# EAGLE board RedBoard-GiantPanel-v21a (EAGLE 7.5.0), part 3 of 4
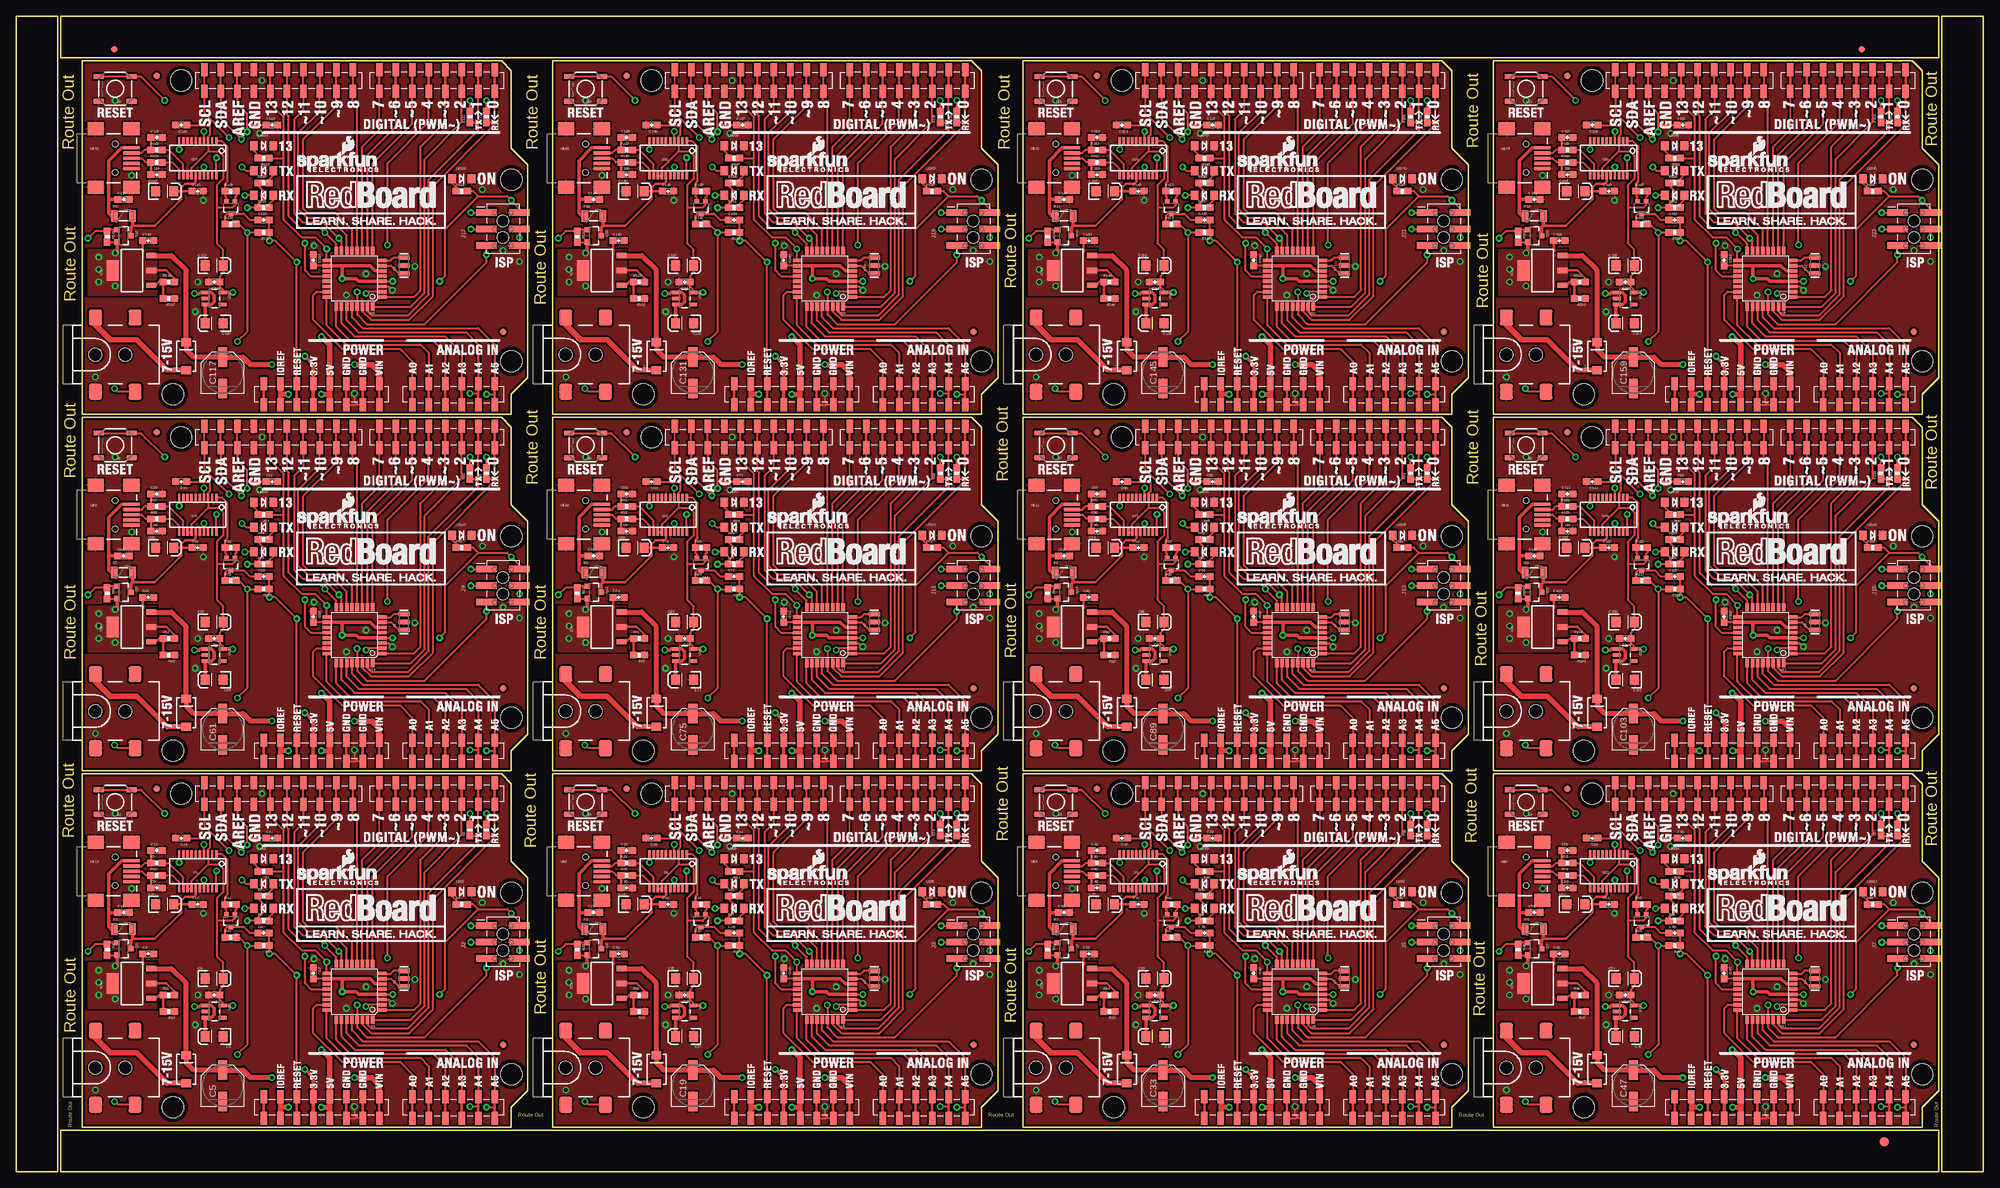
[diagram p0: board, top side]
## Tracks (layer width: path | path; a pad name or v marks a point on that pad's centre or on a via) (continued)
AD4/SDA7  (via drill 0.51) (continued)
  Bottom 0.305: v287.02,64.9 280.04,71.88 264.16,71.88 263.14,72.9 263.14,80.52 259.33,84.33 259.33,96.52 v251.84,104.01
AD4/SDA8  (via drill 0.51)
  Top 0.305: U26.27 50.87,130.99 52.7,129.16 69.22,129.16 71.12,127.25 71.12,119.76 | 71.12,119.76 AD8.5 | v34.67,158.88 31.5,162.05 JP87.2B JP87.2A | v69.85,119.76 71.12,119.76
  Bottom 0.305: v69.85,119.76 62.87,126.75 46.99,126.75 45.97,127.76 45.97,135.38 42.16,139.19 42.16,151.38 v34.67,158.88
AD4/SDA9  (via drill 0.51)
  Top 0.305: U29.27 123.26,130.99 125.09,129.16 141.6,129.16 143.51,127.25 143.51,119.76 | 143.51,119.76 AD9.5 | v107.06,158.88 103.89,162.05 JP97.2B JP97.2A | v142.24,119.76 143.51,119.76
  Bottom 0.305: v142.24,119.76 135.25,126.75 119.38,126.75 118.36,127.76 118.36,135.38 114.55,139.19 114.55,151.38 v107.06,158.88
AD4/SDA10  (via drill 0.51)
  Top 0.305: U32.27 195.65,130.99 197.49,129.16 214,129.16 215.9,127.25 215.9,119.76 | 215.9,119.76 AD10.5 | v179.45,158.88 176.28,162.05 JP107.2B JP107.2A | v214.63,119.76 215.9,119.76
  Bottom 0.305: v214.63,119.76 207.65,126.75 191.77,126.75 190.75,127.76 190.75,135.38 186.94,139.19 186.94,151.38 v179.45,158.88
AD4/SDA11  (via drill 0.51)
  Top 0.305: U35.27 268.04,130.99 269.88,129.16 286.38,129.16 288.29,127.25 288.29,119.76 | 288.29,119.76 AD11.5 | v251.84,158.88 248.67,162.05 JP117.2B JP117.2A | v287.02,119.76 288.29,119.76
  Bottom 0.305: v287.02,119.76 280.04,126.75 264.16,126.75 263.14,127.76 263.14,135.38 259.33,139.19 259.33,151.38 v251.84,158.88
AD5
  Top 0.305: U5.24 120.17,20.55 123.19,17.53 134.62,17.53 135.89,16.26 AD1.2
AD5/SCL  (via drill 0.51)
  Top 0.254: JP2.1A JP2.1B
  Top 0.305: U3.28 51.67,21.74 53.34,20.07 71.12,20.07 73.66,17.53 AD.6 73.66,9.91 v72.39,9.91 | JP2.1B 28.96,53.21 v32.77,49.4
  Bottom 0.305: v32.77,49.4 41.53,40.64 41.53,28.83 45.34,25.02 45.34,17.4 46.48,16.26 62.1,16.26 69.34,9.02 71.5,9.02 v72.39,9.91
AD5/SCL1  (via drill 0.51)
  Top 0.254: JP17.1A JP17.1B
  Top 0.305: U5.28 124.06,21.74 125.73,20.07 143.51,20.07 146.05,17.53 AD1.6 146.05,9.91 v144.78,9.91 | JP17.1B 101.35,53.21 v105.16,49.4
  Bottom 0.305: v105.16,49.4 113.92,40.64 113.92,28.83 117.73,25.02 117.73,17.4 118.87,16.26 134.49,16.26 141.73,9.02 143.89,9.02 v144.78,9.91
AD5/SCL2  (via drill 0.51)
  Top 0.254: JP27.1A JP27.1B
  Top 0.305: U8.28 196.45,21.74 198.12,20.07 215.9,20.07 218.44,17.53 AD2.6 218.44,9.91 v217.17,9.91 | JP27.1B 173.74,53.21 v177.55,49.4
  Bottom 0.305: v177.55,49.4 186.31,40.64 186.31,28.83 190.12,25.02 190.12,17.4 191.26,16.26 206.88,16.26 214.12,9.02 216.28,9.02 v217.17,9.91
AD5/SCL3  (via drill 0.51)
  Top 0.254: JP37.1A JP37.1B
  Top 0.305: U11.28 268.84,21.74 270.51,20.07 288.29,20.07 290.83,17.53 AD3.6 290.83,9.91 v289.56,9.91 | JP37.1B 246.13,53.21 v249.94,49.4
  Bottom 0.305: v249.94,49.4 258.7,40.64 258.7,28.83 262.51,25.02 262.51,17.4 263.65,16.26 279.27,16.26 286.51,9.02 288.67,9.02 v289.56,9.91
AD5/SCL4  (via drill 0.51)
  Top 0.254: JP47.1A JP47.1B
  Top 0.305: U14.28 51.67,76.6 53.34,74.93 71.12,74.93 73.66,72.39 AD4.6 73.66,64.77 v72.39,64.77 | JP47.1B 28.96,108.08 v32.77,104.27
  Bottom 0.305: v32.77,104.27 41.53,95.5 41.53,83.69 45.34,79.88 45.34,72.26 46.48,71.12 62.1,71.12 69.34,63.88 71.5,63.88 v72.39,64.77
AD5/SCL5  (via drill 0.51)
  Top 0.254: JP57.1A JP57.1B
  Top 0.305: U17.28 124.06,76.6 125.73,74.93 143.51,74.93 146.05,72.39 AD5.6 146.05,64.77 v144.78,64.77 | JP57.1B 101.35,108.08 v105.16,104.27
  Bottom 0.305: v105.16,104.27 113.92,95.5 113.92,83.69 117.73,79.88 117.73,72.26 118.87,71.12 134.49,71.12 141.73,63.88 143.89,63.88 v144.78,64.77
AD5/SCL6  (via drill 0.51)
  Top 0.254: JP67.1A JP67.1B
  Top 0.305: U20.28 196.45,76.6 198.12,74.93 215.9,74.93 218.44,72.39 AD6.6 218.44,64.77 v217.17,64.77 | JP67.1B 173.74,108.08 v177.55,104.27
  Bottom 0.305: v177.55,104.27 186.31,95.5 186.31,83.69 190.12,79.88 190.12,72.26 191.26,71.12 206.88,71.12 214.12,63.88 216.28,63.88 v217.17,64.77
AD5/SCL7  (via drill 0.51)
  Top 0.254: JP77.1A JP77.1B
  Top 0.305: U23.28 268.84,76.6 270.51,74.93 288.29,74.93 290.83,72.39 AD7.6 290.83,64.77 v289.56,64.77 | JP77.1B 246.13,108.08 v249.94,104.27
  Bottom 0.305: v249.94,104.27 258.7,95.5 258.7,83.69 262.51,79.88 262.51,72.26 263.65,71.12 279.27,71.12 286.51,63.88 288.67,63.88 v289.56,64.77
AD5/SCL8  (via drill 0.51)
  Top 0.254: JP87.1A JP87.1B
  Top 0.305: U26.28 51.67,131.46 53.34,129.79 71.12,129.79 73.66,127.25 AD8.6 73.66,119.63 v72.39,119.63 | JP87.1B 28.96,162.94 v32.77,159.13
  Bottom 0.305: v32.77,159.13 41.53,150.37 41.53,138.56 45.34,134.75 45.34,127.13 46.48,125.98 62.1,125.98 69.34,118.75 71.5,118.75 v72.39,119.63
AD5/SCL9  (via drill 0.51)
  Top 0.254: JP97.1A JP97.1B
  Top 0.305: U29.28 124.06,131.46 125.73,129.79 143.51,129.79 146.05,127.25 AD9.6 146.05,119.63 v144.78,119.63 | JP97.1B 101.35,162.94 v105.16,159.13
  Bottom 0.305: v105.16,159.13 113.92,150.37 113.92,138.56 117.73,134.75 117.73,127.13 118.87,125.98 134.49,125.98 141.73,118.75 143.89,118.75 v144.78,119.63
AD5/SCL10  (via drill 0.51)
  Top 0.254: JP107.1A JP107.1B
  Top 0.305: U32.28 196.45,131.46 198.12,129.79 215.9,129.79 218.44,127.25 AD10.6 218.44,119.63 v217.17,119.63 | JP107.1B 173.74,162.94 v177.55,159.13
  Bottom 0.305: v177.55,159.13 186.31,150.37 186.31,138.56 190.12,134.75 190.12,127.13 191.26,125.98 206.88,125.98 214.12,118.75 216.28,118.75 v217.17,119.63
AD5/SCL11  (via drill 0.51)
  Top 0.254: JP117.1A JP117.1B
  Top 0.305: U35.28 268.84,131.46 270.51,129.79 288.29,129.79 290.83,127.25 AD11.6 290.83,119.63 v289.56,119.63 | JP117.1B 246.13,162.94 v249.94,159.13
  Bottom 0.305: v249.94,159.13 258.7,150.37 258.7,138.56 262.51,134.75 262.51,127.13 263.65,125.98 279.27,125.98 286.51,118.75 288.67,118.75 v289.56,119.63
AD6
  Top 0.305: U5.25 121.66,20.33 123.83,18.16 136.53,18.16 138.43,16.26 AD1.3
AD7
  Top 0.305: U5.26 122.46,20.8 124.46,18.8 138.43,18.8 140.97,16.26 AD1.4
AD8
  Top 0.305: U8.23 191.04,25.69 190.5,25.15 190.5,21.34 194.94,16.89 203.84,16.89 205.74,14.99 AD2.1
AD9
  Top 0.305: U8.24 192.56,20.55 195.58,17.53 207.01,17.53 208.28,16.26 AD2.2
AD10
  Top 0.305: U8.25 194.05,20.33 196.22,18.16 208.91,18.16 210.82,16.26 AD2.3
AD11
  Top 0.305: U8.26 194.85,20.8 196.85,18.8 210.82,18.8 213.36,16.26 AD2.4
AD12
  Top 0.305: U11.23 263.43,25.69 262.89,25.15 262.89,21.34 267.33,16.89 276.23,16.89 278.13,14.99 AD3.1
AD13
  Top 0.305: U11.24 264.95,20.55 267.97,17.53 279.4,17.53 280.67,16.26 AD3.2
AD14
  Top 0.305: U11.25 266.44,20.33 268.61,18.16 281.31,18.16 283.21,16.26 AD3.3
AD15
  Top 0.305: U11.26 267.24,20.8 269.24,18.8 283.21,18.8 285.75,16.26 AD3.4
AD16
  Top 0.305: U14.23 46.26,80.55 45.72,80.01 45.72,76.2 50.16,71.75 59.05,71.75 60.96,69.85 AD4.1
AD17
  Top 0.305: U14.24 47.78,75.41 50.8,72.39 62.23,72.39 63.5,71.12 AD4.2
AD18
  Top 0.305: U14.25 49.27,75.19 51.44,73.03 64.14,73.03 66.04,71.12 AD4.3
AD19
  Top 0.305: U14.26 50.07,75.66 52.07,73.66 66.04,73.66 68.58,71.12 AD4.4
AD20
  Top 0.305: U17.23 118.65,80.55 118.11,80.01 118.11,76.2 122.56,71.75 131.44,71.75 133.35,69.85 AD5.1
AD21
  Top 0.305: U17.24 120.17,75.41 123.19,72.39 134.62,72.39 135.89,71.12 AD5.2
AD22
  Top 0.305: U17.25 121.66,75.19 123.83,73.03 136.53,73.03 138.43,71.12 AD5.3
AD23
  Top 0.305: U17.26 122.46,75.66 124.46,73.66 138.43,73.66 140.97,71.12 AD5.4
AD24
  Top 0.305: U20.23 191.04,80.55 190.5,80.01 190.5,76.2 194.94,71.75 203.84,71.75 205.74,69.85 AD6.1
AD25
  Top 0.305: U20.24 192.56,75.41 195.58,72.39 207.01,72.39 208.28,71.12 AD6.2
AD26
  Top 0.305: U20.25 194.05,75.19 196.22,73.03 208.91,73.03 210.82,71.12 AD6.3
AD27
  Top 0.305: U20.26 194.85,75.66 196.85,73.66 210.82,73.66 213.36,71.12 AD6.4
AD28
  Top 0.305: U23.23 263.43,80.55 262.89,80.01 262.89,76.2 267.33,71.75 276.23,71.75 278.13,69.85 AD7.1
AD29
  Top 0.305: U23.24 264.95,75.41 267.97,72.39 279.4,72.39 280.67,71.12 AD7.2
AD30
  Top 0.305: U23.25 266.44,75.19 268.61,73.03 281.31,73.03 283.21,71.12 AD7.3
AD31
  Top 0.305: U23.26 267.24,75.66 269.24,73.66 283.21,73.66 285.75,71.12 AD7.4
AD32
  Top 0.305: U26.23 46.26,135.41 45.72,134.87 45.72,131.06 50.16,126.62 59.05,126.62 60.96,124.71 AD8.1
AD33
  Top 0.305: U26.24 47.78,130.28 50.8,127.25 62.23,127.25 63.5,125.98 AD8.2
AD34
  Top 0.305: U26.25 49.27,130.05 51.44,127.89 64.14,127.89 66.04,125.98 AD8.3
AD35
  Top 0.305: U26.26 50.07,130.52 52.07,128.52 66.04,128.52 68.58,125.98 AD8.4
AD36
  Top 0.305: U29.23 118.65,135.41 118.11,134.87 118.11,131.06 122.56,126.62 131.44,126.62 133.35,124.71 AD9.1
AD37
  Top 0.305: U29.24 120.17,130.28 123.19,127.25 134.62,127.25 135.89,125.98 AD9.2
AD38
  Top 0.305: U29.25 121.66,130.05 123.83,127.89 136.53,127.89 138.43,125.98 AD9.3
AD39
  Top 0.305: U29.26 122.46,130.52 124.46,128.52 138.43,128.52 140.97,125.98 AD9.4
AD40
  Top 0.305: U32.23 191.04,135.41 190.5,134.87 190.5,131.06 194.94,126.62 203.84,126.62 205.74,124.71 AD10.1
AD41
  Top 0.305: U32.24 192.56,130.28 195.58,127.25 207.01,127.25 208.28,125.98 AD10.2
AD42
  Top 0.305: U32.25 194.05,130.05 196.22,127.89 208.91,127.89 210.82,125.98 AD10.3
AD43
  Top 0.305: U32.26 194.85,130.52 196.85,128.52 210.82,128.52 213.36,125.98 AD10.4
AD44
  Top 0.305: U35.23 263.43,135.41 262.89,134.87 262.89,131.06 267.33,126.62 276.23,126.62 278.13,124.71 AD11.1
AD45
  Top 0.305: U35.24 264.95,130.28 267.97,127.25 279.4,127.25 280.67,125.98 AD11.2
AD46
  Top 0.305: U35.25 266.44,130.05 268.61,127.89 281.31,127.89 283.21,125.98 AD11.3
AD47
  Top 0.305: U35.26 267.24,130.52 269.24,128.52 283.21,128.52 285.75,125.98 AD11.4
AREF  (via drill 0.51)
  Top 0.305: U3.20 45.32,28.09 44.45,28.96 v44.45,33.15 | JP2.3A JP2.3B 34.04,54.61 35.56,53.09 35.56,51.31 | v35.56,50.29 35.56,51.31 | C1.1 35.56,51.31
  Bottom 0.305: v35.56,50.29 44.45,41.4 v44.45,33.15
AREF1  (via drill 0.51)
  Top 0.305: U5.20 117.71,28.09 116.84,28.96 v116.84,33.15 | JP17.3A JP17.3B 106.43,54.61 107.95,53.09 107.95,51.31 | v107.95,50.29 107.95,51.31 | C11.1 107.95,51.31
  Bottom 0.305: v107.95,50.29 116.84,41.4 v116.84,33.15
AREF2  (via drill 0.51)
  Top 0.305: U8.20 190.1,28.09 189.23,28.96 v189.23,33.15 | JP27.3A JP27.3B 178.82,54.61 180.34,53.09 180.34,51.31 | v180.34,50.29 180.34,51.31 | C29.1 180.34,51.31
  Bottom 0.305: v180.34,50.29 189.23,41.4 v189.23,33.15
AREF3  (via drill 0.51)
  Top 0.305: U11.20 262.49,28.09 261.62,28.96 v261.62,33.15 | JP37.3A JP37.3B 251.21,54.61 252.73,53.09 252.73,51.31 | v252.73,50.29 252.73,51.31 | C43.1 252.73,51.31
  Bottom 0.305: v252.73,50.29 261.62,41.4 v261.62,33.15
AREF4  (via drill 0.51)
  Top 0.305: U14.20 45.32,82.95 44.45,83.82 v44.45,88.01 | JP47.3A JP47.3B 34.04,109.47 35.56,107.95 35.56,106.17 | v35.56,105.16 35.56,106.17 | C57.1 35.56,106.17
  Bottom 0.305: v35.56,105.16 44.45,96.27 v44.45,88.01
AREF5  (via drill 0.51)
  Top 0.305: U17.20 117.71,82.95 116.84,83.82 v116.84,88.01 | JP57.3A JP57.3B 106.43,109.47 107.95,107.95 107.95,106.17 | v107.95,105.16 107.95,106.17 | C71.1 107.95,106.17
  Bottom 0.305: v107.95,105.16 116.84,96.27 v116.84,88.01
AREF6  (via drill 0.51)
  Top 0.305: U20.20 190.1,82.95 189.23,83.82 v189.23,88.01 | JP67.3A JP67.3B 178.82,109.47 180.34,107.95 180.34,106.17 | v180.34,105.16 180.34,106.17 | C85.1 180.34,106.17
  Bottom 0.305: v180.34,105.16 189.23,96.27 v189.23,88.01
AREF7  (via drill 0.51)
  Top 0.305: U23.20 262.49,82.95 261.62,83.82 v261.62,88.01 | JP77.3A JP77.3B 251.21,109.47 252.73,107.95 252.73,106.17 | v252.73,105.16 252.73,106.17 | C99.1 252.73,106.17
  Bottom 0.305: v252.73,105.16 261.62,96.27 v261.62,88.01
AREF8  (via drill 0.51)
  Top 0.305: U26.20 45.32,137.81 44.45,138.68 v44.45,142.88 | JP87.3A JP87.3B 34.04,164.34 35.56,162.81 35.56,161.04 | v35.56,160.02 35.56,161.04 | C113.1 35.56,161.04
  Bottom 0.305: v35.56,160.02 44.45,151.13 v44.45,142.88
AREF9  (via drill 0.51)
  Top 0.305: U29.20 117.71,137.81 116.84,138.68 v116.84,142.88 | JP97.3A JP97.3B 106.43,164.34 107.95,162.81 107.95,161.04 | v107.95,160.02 107.95,161.04 | C127.1 107.95,161.04
  Bottom 0.305: v107.95,160.02 116.84,151.13 v116.84,142.88
AREF10  (via drill 0.51)
  Top 0.305: U32.20 190.1,137.81 189.23,138.68 v189.23,142.88 | JP107.3A JP107.3B 178.82,164.34 180.34,162.81 180.34,161.04 | v180.34,160.02 180.34,161.04 | C141.1 180.34,161.04
  Bottom 0.305: v180.34,160.02 189.23,151.13 v189.23,142.88
AREF11  (via drill 0.51)
  Top 0.305: U35.20 262.49,137.81 261.62,138.68 v261.62,142.88 | JP117.3A JP117.3B 251.21,164.34 252.73,162.81 252.73,161.04 | v252.73,160.02 252.73,161.04 | C155.1 252.73,161.04
  Bottom 0.305: v252.73,160.02 261.62,151.13 v261.62,142.88
D+
  Top 0.305: R10.1 20.74,45.81 | U$13.D+ 19.3,46.23 19.94,45.59 R10.1 | C9.1 R10.1
D+1
  Top 0.305: R26.1 93.13,45.81 | U$2.D+ 91.69,46.23 92.33,45.59 R26.1 | C26.1 R26.1
D+2
  Top 0.305: R40.1 165.52,45.81 | U$4.D+ 164.08,46.23 164.72,45.59 R40.1 | C40.1 R40.1
D+3
  Top 0.305: R54.1 237.91,45.81 | U$6.D+ 236.47,46.23 237.11,45.59 R54.1 | C54.1 R54.1
D+4
  Top 0.305: R68.1 20.74,100.67 | U$8.D+ 19.3,101.09 19.94,100.46 R68.1 | C68.1 R68.1
D+5
  Top 0.305: R82.1 93.13,100.67 | U$10.D+ 91.69,101.09 92.33,100.46 R82.1 | C82.1 R82.1
D+6
  Top 0.305: R96.1 165.52,100.67 | U$12.D+ 164.08,101.09 164.72,100.46 R96.1 | C96.1 R96.1
D+7
  Top 0.305: R110.1 237.91,100.67 | U$15.D+ 236.47,101.09 237.11,100.46 R110.1 | C110.1 R110.1
D+8
  Top 0.305: R124.1 20.74,155.54 | U$18.D+ 19.3,155.96 19.94,155.32 R124.1 | C124.1 R124.1
D+9
  Top 0.305: R138.1 93.13,155.54 | U$20.D+ 91.69,155.96 92.33,155.32 R138.1 | C138.1 R138.1
D+10
  Top 0.305: R152.1 165.52,155.54 | U$22.D+ 164.08,155.96 164.72,155.32 R152.1 | C152.1 R152.1
D+11
  Top 0.305: R166.1 237.91,155.54 | U$24.D+ 236.47,155.96 237.11,155.32 R166.1 | C166.1 R166.1
D-
  Top 0.305: U$13.D- 19.34,47.03 19.81,47.5 R5.1 C13.1
D-1
  Top 0.305: U$2.D- 91.73,47.03 92.2,47.5 R25.1 C27.1
D-2
  Top 0.305: U$4.D- 164.12,47.03 164.59,47.5 R39.1 C41.1
D-3
  Top 0.305: U$6.D- 236.51,47.03 236.98,47.5 R53.1 C55.1
D-4
  Top 0.305: U$8.D- 19.34,101.89 19.81,102.36 R67.1 C69.1
D-5
  Top 0.305: U$10.D- 91.73,101.89 92.2,102.36 R81.1 C83.1
D-6
  Top 0.305: U$12.D- 164.12,101.89 164.59,102.36 R95.1 C97.1
D-7
  Top 0.305: U$15.D- 236.51,101.89 236.98,102.36 R109.1 C111.1
D-8
  Top 0.305: U$18.D- 19.34,156.76 19.81,157.23 R123.1 C125.1
D-9
  Top 0.305: U$20.D- 91.73,156.76 92.2,157.23 R137.1 C139.1
D-10
  Top 0.305: U$22.D- 164.12,156.76 164.59,157.23 R151.1 C153.1
D-11
  Top 0.305: U$24.D- 236.51,156.76 236.98,157.23 R165.1 C167.1
DTR
  Top 0.305: R12.1 32.17,37.38 32.48,37.68 Q2.3 35.02,37.68 36,36.7 C8.1
DTR1
  Top 0.305: R28.1 104.56,37.38 104.87,37.68 Q4.3 107.41,37.68 108.39,36.7 C21.1
DTR2
  Top 0.305: R42.1 176.95,37.38 177.26,37.68 Q6.3 179.8,37.68 180.78,36.7 C35.1
DTR3
  Top 0.305: R56.1 249.34,37.38 249.65,37.68 Q8.3 252.19,37.68 253.17,36.7 C49.1
DTR4
  Top 0.305: R70.1 32.17,92.24 32.48,92.55 Q10.3 35.02,92.55 36,91.57 C63.1
DTR5
  Top 0.305: R84.1 104.56,92.24 104.87,92.55 Q12.3 107.41,92.55 108.39,91.57 C77.1
DTR6
  Top 0.305: R98.1 176.95,92.24 177.26,92.55 Q14.3 179.8,92.55 180.78,91.57 C91.1
DTR7
  Top 0.305: R112.1 249.34,92.24 249.65,92.55 Q16.3 252.19,92.55 253.17,91.57 C105.1
DTR8
  Top 0.305: R126.1 32.17,147.1 32.48,147.41 Q18.3 35.02,147.41 36,146.43 C119.1
DTR9
  Top 0.305: R140.1 104.56,147.1 104.87,147.41 Q20.3 107.41,147.41 108.39,146.43 C133.1
DTR10
  Top 0.305: R154.1 176.95,147.1 177.26,147.41 Q22.3 179.8,147.41 180.78,146.43 C147.1
DTR11
  Top 0.305: R168.1 249.34,147.1 249.65,147.41 Q24.3 252.19,147.41 253.17,146.43 C161.1
GND  (via drill 0.51)
  Top 0.254: 53.34,8.26 52.58,8.26 52.39,8.45 52.07,8.76 v52.07,10.03
  Top 0.305: U3.3 57.33,26.49 v57.91,25.91 | JP10.3 52.2,8.26 52.39,8.45
  other vias: 15.24,55.12 71.75,41.4 50.8,25.15 37.85,58.17 53.85,28.45 61.34,29.59 45.85,32.77 12.19,12.57 17.78,43.56 37.47,50.04 77.47,30.35 28.83,39.75 74.93,32 27.94,27.18 27.56,22.61
  pour Top (isolate 0.305, rank 2): 10.16,61.21 74.68,61.21 76.2,59.69 76.2,47.75 78.74,45.21 78.74,12.45 76.2,9.91 76.2,6.86 10.16,6.86
  pour Bottom (isolate 0.305, rank 2): 10.16,61.21 74.68,61.21 76.2,59.69 76.2,47.75 78.74,45.21 78.74,12.45 76.2,9.91 76.2,6.86 10.16,6.86
GND1  (via drill 0.51)
  Top 0.254: 125.73,8.26 124.97,8.26 124.78,8.45 124.46,8.76 v124.46,10.03
  Top 0.305: U5.3 129.72,26.49 v130.3,25.91 | JP18.3 124.59,8.26 124.78,8.45
  other vias: 87.63,55.12 144.15,41.4 123.19,25.15 110.24,58.17 126.24,28.45 133.73,29.59 118.24,32.77 84.58,12.57 90.17,43.56 109.86,50.04 149.86,30.35 101.22,39.75 147.32,32 100.33,27.18 99.95,22.61
  pour Top (isolate 0.305, rank 2): 82.55,61.21 147.07,61.21 148.59,59.69 148.59,47.75 151.13,45.21 151.13,12.45 148.59,9.91 148.59,6.86 82.55,6.86
  pour Bottom (isolate 0.305, rank 2): 82.55,61.21 147.07,61.21 148.59,59.69 148.59,47.75 151.13,45.21 151.13,12.45 148.59,9.91 148.59,6.86 82.55,6.86
GND2  (via drill 0.51)
  Top 0.254: 198.12,8.26 197.36,8.26 197.17,8.45 196.85,8.76 v196.85,10.03
  Top 0.305: U8.3 202.11,26.49 v202.69,25.91 | JP28.3 196.98,8.26 197.17,8.45
  other vias: 160.02,55.12 216.53,41.4 195.58,25.15 182.63,58.17 198.63,28.45 206.12,29.59 190.63,32.77 156.97,12.57 162.56,43.56 182.25,50.04 222.25,30.35 173.61,39.75 219.71,32 172.72,27.18 172.34,22.61
  pour Top (isolate 0.305, rank 2): 154.94,61.21 219.46,61.21 220.98,59.69 220.98,47.75 223.52,45.21 223.52,12.45 220.98,9.91 220.98,6.86 154.94,6.86
  pour Bottom (isolate 0.305, rank 2): 154.94,61.21 219.46,61.21 220.98,59.69 220.98,47.75 223.52,45.21 223.52,12.45 220.98,9.91 220.98,6.86 154.94,6.86
GND3  (via drill 0.51)
  Top 0.254: 270.51,8.26 269.75,8.26 269.56,8.45 269.24,8.76 v269.24,10.03
  Top 0.305: U11.3 274.5,26.49 v275.08,25.91 | JP38.3 269.37,8.26 269.56,8.45
  other vias: 232.41,55.12 288.93,41.4 267.97,25.15 255.02,58.17 271.02,28.45 278.51,29.59 263.02,32.77 229.36,12.57 234.95,43.56 254.63,50.04 294.64,30.35 246,39.75 292.1,32 245.11,27.18 244.73,22.61
  pour Top (isolate 0.305, rank 2): 227.33,61.21 291.85,61.21 293.37,59.69 293.37,47.75 295.91,45.21 295.91,12.45 293.37,9.91 293.37,6.86 227.33,6.86
  pour Bottom (isolate 0.305, rank 2): 227.33,61.21 291.85,61.21 293.37,59.69 293.37,47.75 295.91,45.21 295.91,12.45 293.37,9.91 293.37,6.86 227.33,6.86
GND4  (via drill 0.51)
  Top 0.254: 53.34,63.12 52.58,63.12 52.39,63.31 52.07,63.63 v52.07,64.9
  Top 0.305: U14.3 57.33,81.35 v57.91,80.77 | JP48.3 52.2,63.12 52.39,63.31
  other vias: 15.24,109.98 71.75,96.27 50.8,80.01 37.85,113.03 53.85,83.31 61.34,84.45 45.85,87.63 12.19,67.44 17.78,98.42 37.47,104.9 77.47,85.22 28.83,94.61 74.93,86.87 27.94,82.04 27.56,77.47
  pour Top (isolate 0.305, rank 2): 10.16,116.08 74.68,116.08 76.2,114.55 76.2,102.62 78.74,100.08 78.74,67.31 76.2,64.77 76.2,61.72 10.16,61.72
  pour Bottom (isolate 0.305, rank 2): 10.16,116.08 74.68,116.08 76.2,114.55 76.2,102.62 78.74,100.08 78.74,67.31 76.2,64.77 76.2,61.72 10.16,61.72
GND5  (via drill 0.51)
  Top 0.254: 125.73,63.12 124.97,63.12 124.78,63.31 124.46,63.63 v124.46,64.9
  Top 0.305: U17.3 129.72,81.35 v130.3,80.77 | JP58.3 124.59,63.12 124.78,63.31
  other vias: 87.63,109.98 144.15,96.27 123.19,80.01 110.24,113.03 126.24,83.31 133.73,84.45 118.24,87.63 84.58,67.44 90.17,98.42 109.86,104.9 149.86,85.22 101.22,94.61 147.32,86.87 100.33,82.04 99.95,77.47
  pour Top (isolate 0.305, rank 2): 82.55,116.08 147.07,116.08 148.59,114.55 148.59,102.62 151.13,100.08 151.13,67.31 148.59,64.77 148.59,61.72 82.55,61.72
  pour Bottom (isolate 0.305, rank 2): 82.55,116.08 147.07,116.08 148.59,114.55 148.59,102.62 151.13,100.08 151.13,67.31 148.59,64.77 148.59,61.72 82.55,61.72
GND6  (via drill 0.51)
  Top 0.254: 198.12,63.12 197.36,63.12 197.17,63.31 196.85,63.63 v196.85,64.9
  Top 0.305: U20.3 202.11,81.35 v202.69,80.77 | JP68.3 196.98,63.12 197.17,63.31
  other vias: 160.02,109.98 216.53,96.27 195.58,80.01 182.63,113.03 198.63,83.31 206.12,84.45 190.63,87.63 156.97,67.44 162.56,98.42 182.25,104.9 222.25,85.22 173.61,94.61 219.71,86.87 172.72,82.04 172.34,77.47
  pour Top (isolate 0.305, rank 2): 154.94,116.08 219.46,116.08 220.98,114.55 220.98,102.62 223.52,100.08 223.52,67.31 220.98,64.77 220.98,61.72 154.94,61.72
  pour Bottom (isolate 0.305, rank 2): 154.94,116.08 219.46,116.08 220.98,114.55 220.98,102.62 223.52,100.08 223.52,67.31 220.98,64.77 220.98,61.72 154.94,61.72
GND7  (via drill 0.51)
  Top 0.254: 270.51,63.12 269.75,63.12 269.56,63.31 269.24,63.63 v269.24,64.9
  Top 0.305: U23.3 274.5,81.35 v275.08,80.77 | JP78.3 269.37,63.12 269.56,63.31
  other vias: 232.41,109.98 288.93,96.27 267.97,80.01 255.02,113.03 271.02,83.31 278.51,84.45 263.02,87.63 229.36,67.44 234.95,98.42 254.63,104.9 294.64,85.22 246,94.61 292.1,86.87 245.11,82.04 244.73,77.47
  pour Top (isolate 0.305, rank 2): 227.33,116.08 291.85,116.08 293.37,114.55 293.37,102.62 295.91,100.08 295.91,67.31 293.37,64.77 293.37,61.72 227.33,61.72
  pour Bottom (isolate 0.305, rank 2): 227.33,116.08 291.85,116.08 293.37,114.55 293.37,102.62 295.91,100.08 295.91,67.31 293.37,64.77 293.37,61.72 227.33,61.72
GND8  (via drill 0.51)
  Top 0.254: 53.34,117.98 52.58,117.98 52.39,118.17 52.07,118.49 v52.07,119.76
  Top 0.305: U26.3 57.33,136.21 v57.91,135.64 | JP88.3 52.2,117.98 52.39,118.17
  other vias: 15.24,164.85 71.75,151.13 50.8,134.87 37.85,167.89 53.85,138.18 61.34,139.32 45.85,142.49 12.19,122.3 17.78,153.29 37.47,159.77 77.47,140.08 28.83,149.48 74.93,141.73 27.94,136.91 27.56,132.33
  pour Top (isolate 0.305, rank 2): 10.16,170.94 74.68,170.94 76.2,169.42 76.2,157.48 78.74,154.94 78.74,122.17 76.2,119.63 76.2,116.59 10.16,116.59
  pour Bottom (isolate 0.305, rank 2): 10.16,170.94 74.68,170.94 76.2,169.42 76.2,157.48 78.74,154.94 78.74,122.17 76.2,119.63 76.2,116.59 10.16,116.59
GND9  (via drill 0.51)
  Top 0.254: 125.73,117.98 124.97,117.98 124.78,118.17 124.46,118.49 v124.46,119.76
  Top 0.305: U29.3 129.72,136.21 v130.3,135.64 | JP98.3 124.59,117.98 124.78,118.17
  other vias: 87.63,164.85 144.15,151.13 123.19,134.87 110.24,167.89 126.24,138.18 133.73,139.32 118.24,142.49 84.58,122.3 90.17,153.29 109.86,159.77 149.86,140.08 101.22,149.48 147.32,141.73 100.33,136.91 99.95,132.33
  pour Top (isolate 0.305, rank 2): 82.55,170.94 147.07,170.94 148.59,169.42 148.59,157.48 151.13,154.94 151.13,122.17 148.59,119.63 148.59,116.59 82.55,116.59
  pour Bottom (isolate 0.305, rank 2): 82.55,170.94 147.07,170.94 148.59,169.42 148.59,157.48 151.13,154.94 151.13,122.17 148.59,119.63 148.59,116.59 82.55,116.59
GND10  (via drill 0.51)
  Top 0.254: 198.12,117.98 197.36,117.98 197.17,118.17 196.85,118.49 v196.85,119.76
  Top 0.305: U32.3 202.11,136.21 v202.69,135.64 | JP108.3 196.98,117.98 197.17,118.17
  other vias: 160.02,164.85 216.53,151.13 195.58,134.87 182.63,167.89 198.63,138.18 206.12,139.32 190.63,142.49 156.97,122.3 162.56,153.29 182.25,159.77 222.25,140.08 173.61,149.48 219.71,141.73 172.72,136.91 172.34,132.33
  pour Top (isolate 0.305, rank 2): 154.94,170.94 219.46,170.94 220.98,169.42 220.98,157.48 223.52,154.94 223.52,122.17 220.98,119.63 220.98,116.59 154.94,116.59
  pour Bottom (isolate 0.305, rank 2): 154.94,170.94 219.46,170.94 220.98,169.42 220.98,157.48 223.52,154.94 223.52,122.17 220.98,119.63 220.98,116.59 154.94,116.59
GND11  (via drill 0.51)
  Top 0.254: 270.51,117.98 269.75,117.98 269.56,118.17 269.24,118.49 v269.24,119.76
  Top 0.305: U35.3 274.5,136.21 v275.08,135.64 | JP118.3 269.37,117.98 269.56,118.17
  other vias: 232.41,164.85 288.93,151.13 267.97,134.87 255.02,167.89 271.02,138.18 278.51,139.32 263.02,142.49 229.36,122.3 234.95,153.29 254.63,159.77 294.64,140.08 246,149.48 292.1,141.73 245.11,136.91 244.73,132.33
  pour Top (isolate 0.305, rank 2): 227.33,170.94 291.85,170.94 293.37,169.42 293.37,157.48 295.91,154.94 295.91,122.17 293.37,119.63 293.37,116.59 227.33,116.59
  pour Bottom (isolate 0.305, rank 2): 227.33,170.94 291.85,170.94 293.37,169.42 293.37,157.48 295.91,154.94 295.91,122.17 293.37,119.63 293.37,116.59 227.33,116.59